# Altium PCB RaspberryHatBoard1.PcbDoc (part 2 of 3)
Units mm, origin at the board's own origin, x right, y up, seen from the top; angles counter-clockwise.
Board outline 65 x 56 mm, 2 copper layers (Top Layer, Bottom Layer); 197 components, 133 nets, 606 pads, 245 vias.
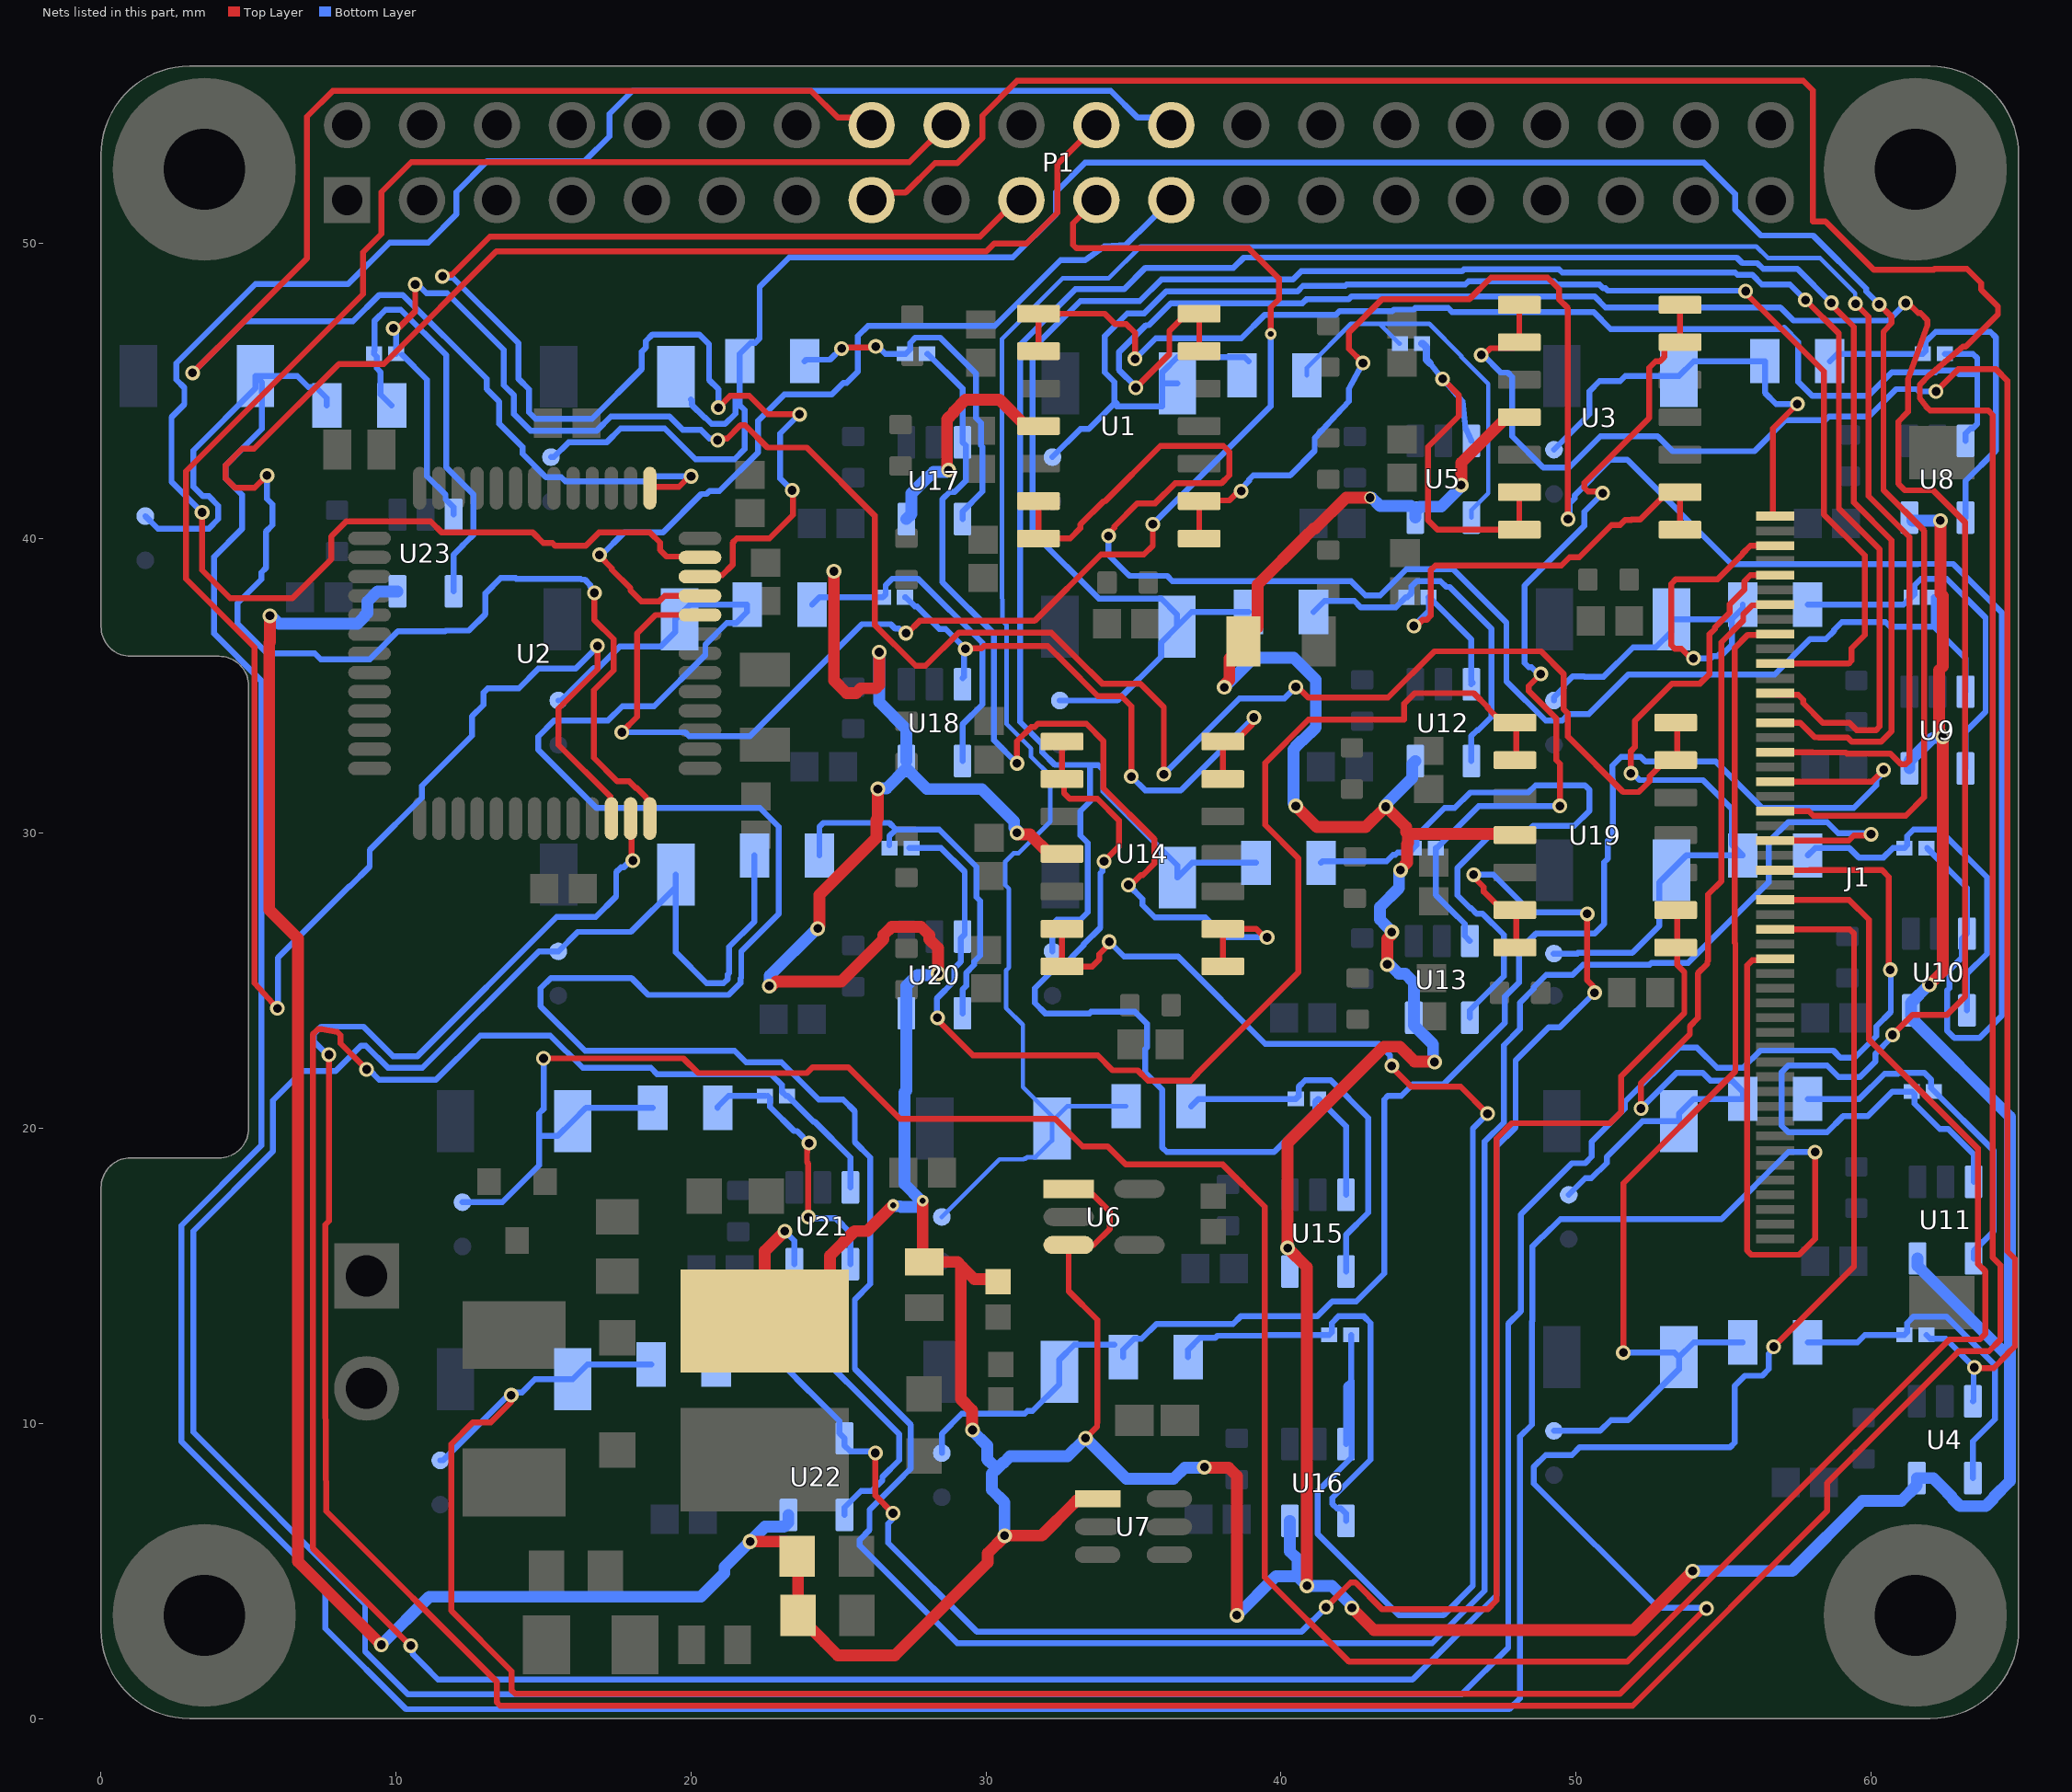
[diagram p2: the nets of this part, all layers, seen from the top]

## Via types
v1: diameter 0.5, hole 0.3, Top Layer to Bottom Layer, tented both sides, 235 vias
v2: diameter 0.4, hole 0.3, Top Layer to Bottom Layer, tented both sides, 3 vias
v3: diameter 0.4, hole 0.2, Top Layer to Bottom Layer, tented both sides, 3 vias
v4: diameter 0.5, hole 0.3, Top Layer to Bottom Layer, 2 vias
v5: diameter 0.4, hole 0.25, Top Layer to Bottom Layer, tented both sides, 2 vias

## Nets (pads, with @x,y where several pads share a name; then routed paths per layer and width w, separated by ;. In a path a pad name is that pad's centre, name@x,y a point inside that pad or via, vN(x,y) a via of type N, cw(c..) or ccw(c..) an arc to the next point about the centre after c; other vN are vias at no path point) (continued)
+5V_Ext: C8.2 C10.1 C11.1 C41.1 L1.2 R20.2 U1.4 U3.4 U4.5 U5.5 U6.1 U6.3 U7.1 U8.5 U9.5 U10.5 U11.5 U12.5 U13.5 U14.4 U15.5 U16.5 U17.5 U18.5 U19.4 U20.5 U21.5 U22.5 U23.5 | length 318.2
  Top Layer w0.2: U6.3@32.799,15.996 32.799,14.484 33.775,13.509 33.775,10.041 33.765,10.031 33.765,9.895 v1(33.373,9.503) ; U6.3@32.799,16.05 33.369,16.05 33.648,16.05 34.2,16.602 34.2,17.178 33.609,17.769 32.98,17.769 U6.1@32.799,17.95 ; U3.4@47.65,44.1 U3.4@48.075,44.1
  Top Layer w0.4: v1(5.725,37.375) 5.725,36.482 5.7,36.457 5.7,27.407 6.675,26.432 6.675,5.325 v1(9.5,2.5) ; v1(22,6) 23.2,6 23.6,5.6 C10.1@23.6,5.5 ; v1(22.65,24.825) 22.731,24.825 22.881,24.975 25.089,24.975 26.52,26.406 26.52,26.548 26.803,26.83 27.797,26.83 28.08,26.548 28.08,26.406 28.375,26.111 v1(28.375,25.25) ; v1(23.175,16.517) 22.5,15.842 L1.2@22.5,13.477 23.207,13.477 24.707,14.977 24.707,15.684 25.546,16.523 25.973,16.523 v3(26.85,17.4) ; C10.1@23.625,5.475 C11.1@23.625,3.5 23.625,3.4 23.975,3.05 24.075,3.05 24.521,2.604 24.521,2.591 24.974,2.139 26.906,2.139 30.054,5.286 30.054,5.602 30.625,6.173 v1(30.625,6.2) 31.885,6.2 32.972,7.287 33.102,7.417 33.752,7.417 U7.1@33.784,7.45 ; v1(24.295,26.775) 24.295,26.802 24.347,26.854 24.347,27.917 26.282,29.851 26.282,30.455 26.332,30.504 v1(26.332,31.505) ; v1(24.842,38.88) 24.842,35.183 25.274,34.751 25.595,34.751 25.758,34.915 26.258,34.915 26.375,35.032 v1(26.375,36.139) ; v3(27.85,17.55) 27.85,15.526 R20.2@27.9,15.476 29.024,15.476 29.2,15.3 ; v1(28.725,42.304) 28.674,42.355 28.674,44.032 28.9,44.258 28.9,44.291 29.309,44.7 30.45,44.7 31.35,43.8 U1.4@31.775,43.8 ; v1(29.54,9.779) 29.521,9.798 29.521,10.449 29.141,10.829 29.141,15.241 29.2,15.3 ; C8.2@30.4,14.801 30.306,14.895 29.605,14.895 29.2,15.3 ; v1(31.05,30.018) 31.107,29.96 31.49,29.96 U14.4@32.15,29.3 ; v1(37.403,8.521) 37.423,8.502 38.22,8.502 38.503,8.218 38.503,3.503 v1(38.5,3.5) ; v1(38.075,34.95) 38.075,35.031 38.247,35.203 38.247,35.919 38.724,36.396 C41.1@38.724,36.5 39.202,36.977 39.202,38.427 40.82,40.045 40.82,40.048 41.103,40.33 41.158,40.33 42.206,41.378 43.014,41.378 v2(43.018,41.373) ; v1(40.5,30.925) 41.211,30.214 42.864,30.214 v1(43.55,30.9) 44.24,30.21 44.24,30.038 44.3,29.978 ; v1(40.875,4.5) 40.875,15.296 v1(40.223,15.948) 40.223,19.511 43.484,22.771 44.022,22.771 44.269,22.525 ; v1(42.4,3.75) 43.15,3 51.95,3 v1(53.95,5) ; v1(43.6,25.556) 43.6,26.425 43.75,26.575 v1(43.75,26.656) ; v1(44.05,28.752) 44.05,28.779 44.275,29.004 44.275,29.641 44.3,29.666 44.3,29.978 ; 44.269,22.525 44.525,22.269 45.181,22.269 v1(45.2,22.25) ; v1(46.108,41.8) 46.108,42.558 U3.4@47.65,44.1 ; U19.4@47.897,29.978 44.3,29.978 ; v1(61.975,24.866) 62.427,25.317 v1(62.427,33.276) ; v1@62.304,33.422 62.304,35.527 62.431,35.654 62.431,38.046 62.35,38.127 v1(62.35,40.6)
  Bottom Layer w0.2: v1(23.175,16.517) 23.5,16.192 U21.5@23.5,15.4 ; U8.5@61.3,40.7 U8.5@61.4,40.6
  Bottom Layer w0.4: v1(5.725,37.375) 5.752,37.375 6.027,37.1 7.406,37.1 8.691,37.1 8.925,37.334 8.925,37.367 9.025,37.467 9.025,37.856 9.369,38.2 U23.5@10.05,38.2 ; v1(9.5,2.5) 11.127,4.127 20.325,4.127 21.134,4.936 21.134,5.134 v1(22,6) 22.501,6.501 23.151,6.501 23.3,6.65 U22.5@23.3,6.9 ; v1(22.65,24.825) 22.669,24.844 22.669,25.176 24.268,26.775 v1(24.295,26.775) ; v1(26.332,31.505) 26.351,31.524 26.624,31.524 27.3,32.2 28,31.5 29.85,31.5 30.95,30.4 30.95,30.199 31.05,30.099 v1(31.05,30.018) ; v1(26.375,36.139) 26.375,34.45 27.3,33.525 U18.5@27.3,32.45 ; v3(26.85,17.4) 26.888,17.362 27.088,17.362 27.115,17.335 27.641,17.335 27.85,17.544 v3(27.85,17.55) 27.796,17.55 27.23,18.116 27.23,21.216 27.3,21.286 27.3,24.831 27.669,25.2 28.298,25.2 28.348,25.25 v1(28.375,25.25) ; U17.5@27.3,40.65 27.473,40.823 27.473,41.523 28.052,42.102 28.075,42.102 28.22,42.246 28.668,42.246 v1(28.725,42.304) ; v1(29.54,9.779) 29.54,9.752 30.035,9.257 30.035,8.789 30.256,8.568 30.363,8.461 ; v1(30.625,6.2) 30.625,7.326 30.196,7.756 30.196,8.294 30.363,8.461 ; v1@33.34,9.471 32.76,8.89 30.812,8.89 30.597,8.675 30.576,8.675 30.363,8.461 ; v1(33.373,9.503) 34.753,8.123 36.353,8.123 36.732,8.502 37.384,8.502 v1(37.403,8.521) ; v1(38.075,34.95) 39.075,35.95 40.428,35.95 41.175,35.203 41.175,33.592 40.733,33.15 40.709,33.15 40.475,32.916 40.475,32.892 40.425,32.842 40.425,31.027 40.5,30.952 v1(40.5,30.925) ; v1(38.5,3.5) 39.824,4.824 40.551,4.824 ; U16.5@40.3,6.7 40.3,5.663 40.551,5.411 40.551,4.824 ; v1(42.4,3.75) 42.381,3.769 42.381,3.838 41.725,4.494 40.881,4.494 40.551,4.824 ; v2(43.018,41.373) 43.073,41.373 43.347,41.099 44.401,41.099 44.55,40.95 U5.5@44.55,40.7 ; v1(43.55,30.9) 43.569,30.919 43.569,31 44.45,31.881 44.45,32.35 U12.5@44.55,32.45 ; v1(43.6,25.556) 43.681,25.556 43.994,25.243 44.207,25.243 44.5,24.95 U13.5@44.5,23.75 44.5,23.5 45.153,22.847 45.153,22.297 v1(45.2,22.25) ; v1(43.75,26.656) 43.75,26.675 43.53,26.895 43.53,26.898 43.35,27.078 43.35,27.5 44,28.15 44,28.675 44.05,28.725 v1(44.05,28.752) ; U5.5@44.55,40.899 44.723,41.072 45.422,41.072 46.108,41.758 v1(46.108,41.8) ; v1(53.95,5) 57.325,5 59.7,7.375 61.025,7.375 61.55,7.9 U4.5@61.55,8.15 62.1,8.15 62.562,7.688 62.562,7.685 62.75,7.497 62.75,7.464 63.014,7.2 63.886,7.2 64.15,7.464 64.15,7.497 64.706,8.053 64.706,12.211 ; U9.5@61.3,32.2 61.3,32.45 62.079,33.229 62.38,33.229 v1(62.427,33.276) ; U8.5@61.4,40.6 v1(62.35,40.6) ; U11.5@61.577,15.591 61.577,15.341 64.706,12.211 ; v1(61.975,24.866) 61.966,24.866 61.35,24.25 U10.5@61.35,24 61.35,23.75 64.706,20.394 64.706,12.211
CH1_SHUNT_N: F1.1 R1.2 U8.4 | length 12.8
  Bottom Layer w0.2: F1.1@58.6,46 58.85,46.25 R1.2@61.75,46.25 61.844,46.344 61.844,46.658 62.184,46.998 64.04,46.998 64.225,46.813 64.225,42.966 63.2,41.941 U8.4@63.2,40.7
CH1_SHUNT_P: R1.1 U1.1 U1.2 U8.3 | length 41.6
  Top Layer w0.2: U1.2@31.775,46.34 U1.1@31.775,47.61 34.023,47.61 34.372,47.261 34.749,47.261 35.05,46.96 v1(35.05,46.075)
  Bottom Layer w0.2: v1(35.05,46.075) 35.75,46.775 38.648,46.775 39.438,47.566 41.851,47.566 41.981,47.695 43.77,47.695 43.825,47.75 44.494,47.75 44.544,47.8 45.665,47.8 45.796,47.669 50.589,47.669 51.168,47.09 57.011,47.09 57.052,47.131 57.527,46.656 57.527,45.3 58.003,44.825 59.906,44.825 60.7,45.619 62.183,45.619 62.247,45.684 62.857,45.684 62.99,45.551 63.6,45.551 ; R1.1@62.5,46.25 63.451,46.25 63.6,46.101 63.6,45.551 ; U8.3@63.2,43.3 63.2,43.55 63.373,43.723 63.451,43.723 63.6,43.872 63.6,45.551
CH1_VOUT_SENSE: CH1_V.1 D1.2 F1.2 J1.1 | length 15.3
  Top Layer w0.2: J1.1@56.656,40.781 56.675,40.8 56.675,43.725 v1(57.5,44.55)
  Bottom Layer w0.2: CH1_V.1@49.25,43 50.45,44.2 50.45,44.978 50.797,45.325 51.492,45.325 51.667,45.5 D1.2@53.485,45.5 53.985,46 F1.2@56.4,46 56.4,44.931 56.781,44.55 v1(57.5,44.55)
CH2_SHUNT_N: F2.1 R2.2 U9.4 | length 12.5
  Bottom Layer w0.2: F2.1@57.85,37.75 61.1,37.75 61.35,38 R2.2@61.375,38 61.473,38.098 61.473,38.406 61.694,38.627 62.562,38.627 63.881,37.308 63.881,34.122 63.2,33.441 U9.4@63.2,32.2
CH2_SHUNT_P: R2.1 U1.6 U1.7 U9.3 | length 53
  Top Layer w0.2: U1.6@31.775,41.26 U1.7@31.775,39.99 31.78,39.995 32.852,39.995 33.2,40.343 33.2,40.468 33.982,41.25 34.028,41.25 35.908,43.13 38.044,43.13 38.25,42.924 38.25,42.136 37.974,41.86 36.406,41.86 35.731,41.185 35.133,41.185 34.35,40.403 34.35,40.356 34.15,40.156 v1(34.15,40.075)
  Bottom Layer w0.2: v1(34.15,40.075) 34.15,39.436 34.744,38.842 34.861,38.725 36.144,38.725 36.319,38.55 42.372,38.55 42.862,38.06 43.36,38.06 44.251,38.95 45.832,38.95 47.639,37.143 47.639,35.148 48.968,33.819 49.532,33.819 49.759,34.046 50.433,34.046 51.768,35.381 56.729,35.381 57.925,36.577 58.46,36.577 58.739,36.856 58.739,36.89 59.011,37.161 60.488,37.161 60.648,37.001 62.125,37.001 ; R2.1@62.125,38 62.125,37.001 ; U9.3@63.2,34.8 63.2,35.926 62.125,37.001
CH2_VOUT_SENSE: CH2_V.1 D2.2 F2.2 J1.3 | length 17.6
  Top Layer w0.2: v1(53.975,35.931) 53.894,35.931 53.567,36.258 53.342,36.258 53.225,36.375 53.225,36.847 53.225,38.456 53.374,38.605 54.794,38.605 55.635,39.446 55.635,39.474 55.911,39.75 J1.3@56.75,39.75
  Bottom Layer w0.2: CH2_V.1@49.25,34.5 49.25,34.608 49.573,34.931 49.573,35.003 49.895,35.325 50.263,35.325 50.288,35.3 50.929,35.3 51.929,36.3 52.7,36.3 53.235,36.835 D2.2@53.235,37.25 F2.2@55.277,37.25 ; v1(53.975,35.931) 54.556,35.931 54.625,36 54.783,36 54.83,36.047 54.949,36.047 55.277,36.375 F2.2@55.277,37.25 ; F2.2@55.65,37.75 55.65,37.623 F2.2@55.277,37.25
CH3_SHUNT_N: F3.1 R3.2 U10.4 | length 12.4
  Bottom Layer w0.2: F3.1@57.85,29.25 58.1,29.5 59.263,29.5 59.579,29.184 60.421,29.184 60.737,29.5 R3.2@61.125,29.5 61.219,29.594 61.219,29.908 61.442,30.131 62.308,30.131 63.931,28.508 63.931,25.922 63.25,25.241 U10.4@63.25,24
CH3_SHUNT_P: R3.1 U1.8 U1.9 U10.3 | length 67.7
  Top Layer w0.2: U1.8@37.225,39.99 U1.9@37.225,41.26 37.246,41.281 38.25,41.281 38.569,41.6 v1(38.65,41.6) ; v1(42.775,45.939) 42.295,46.419 42.295,46.973 43.428,48.106 46.389,48.106 47.12,48.837 49.03,48.837 49.427,48.44 49.427,48.092 49.725,47.794 v1(49.725,40.65)
  Bottom Layer w0.2: v1(38.65,41.6) 38.65,41.681 38.918,41.949 38.918,41.993 39.06,42.135 40.31,42.135 41.137,42.962 41.137,43.304 41.137,43.387 42.3,44.634 42.3,45.067 v1(42.775,45.939) ; v1(49.725,40.65) 49.782,40.707 49.782,41.184 49.95,41.351 49.95,41.453 51.155,42.657 51.735,42.657 55.27,39.123 61.585,39.123 61.593,39.131 62.776,39.131 64.439,37.468 64.439,23.83 63.678,23.069 62.822,23.069 62.573,23.318 62.573,24.676 62.652,24.755 62.652,25.361 63.077,25.786 63.077,26.427 U10.3@63.25,26.6 63.25,28.15 R3.1@61.9,29.5
CH3_VOUT_SENSE: CH3_V.1 D3.2 F3.2 J1.5 | length 24.1
  Top Layer w0.2: v1(51.86,32.031) 51.86,32.788 51.988,32.916 51.988,33.807 53.256,35.075 54.203,35.075 54.525,35.397 54.525,36.751 54.703,36.929 54.703,36.979 55.211,37.487 55.211,37.768 55.7,38.257 55.7,38.539 55.911,38.75 J1.5@56.75,38.75
  Bottom Layer w0.2: CH3_V.1@49.241,25.925 50.041,25.925 50.066,25.95 51.907,25.95 52.827,26.87 52.827,28.342 53.735,29.25 F3.2@55.65,29.25 55.277,29.623 55.277,30.829 54.301,31.805 52.153,31.805 51.927,32.031 v1(51.86,32.031)
CH4_SHUNT_N: F4.1 R4.2 U11.4 | length 11.9
  Bottom Layer w0.2: F4.1@57.85,21 59.601,21 60.454,21.853 60.914,21.853 60.942,21.881 61.808,21.881 62.031,21.658 62.031,21.369 64.158,19.242 64.158,16.522 63.477,15.841 U11.4@63.477,15.591
CH4_SHUNT_P: R4.1 U1.13 U1.14 U11.3 | length 78.8
  Top Layer w0.2: v1(35.075,45.1) 36.212,46.237 36.212,47.022 36.8,47.61 U1.14@37.225,47.61 U1.13@37.225,46.34 ; v1(60.725,23.17) 61.402,23.847 62.572,23.847 63.192,24.467 63.192,40.536 62.105,41.623 61.144,41.623 60.923,41.844 60.923,43.956 61.195,44.229 61.249,44.282 61.25,45.368 61.911,47.236 61.911,47.389 61.672,47.629 61.595,47.629 61.254,47.969 v1(61.173,47.969)
  Bottom Layer w0.2: v1(35.075,45.1) 35.075,45.136 34.5,45.711 34.5,46.303 35.417,47.219 35.523,47.219 36.269,47.966 40.726,47.966 40.855,48.095 42.286,48.095 42.391,48.2 49.197,48.2 50.624,48.2 51,47.823 56.925,47.823 57.374,47.375 60.579,47.375 v1(61.173,47.969) ; v1(60.725,23.17) 60.725,23.11 60.146,22.531 60.146,22.264 59.624,21.742 58.897,21.742 58.508,22.131 57.192,22.131 56.969,21.908 56.969,20.092 57.192,19.869 58.508,19.869 59.05,20.411 59.88,20.411 60.719,21.25 R4.1@61.375,21.25 61.469,21.156 61.469,20.842 62.329,19.982 62.616,19.982 63.477,19.122 U11.3@63.477,18.191
CH4_VOUT_SENSE: CH4_V.1 D4.2 F4.2 J1.7 | length 31.4
  Top Layer w0.2: v1(52.2,20.675) 52.2,21.531 53.856,23.188 53.856,23.465 54.125,23.734 54.125,25.256 54.45,25.581 54.45,25.657 54.477,25.684 54.477,27.927 54.925,28.375 54.925,36.472 55.665,37.212 55.665,37.427 55.965,37.727 56.727,37.727 J1.7@56.75,37.75
  Bottom Layer w0.2: CH4_V.1@49.75,17.75 50.311,18.311 50.518,18.311 51.039,18.832 51.039,19.039 52.25,20.25 D4.2@53.485,20.25 53.485,20.492 53.993,21 F4.2@55.65,21 55.65,21.25 55.277,21.623 54.552,21.623 54.286,21.889 53.414,21.889 v1(52.2,20.675)
CH5_SHUNT_N: F5.1 R5.2 U4.4 | length 11.7
  Bottom Layer w0.2: F5.1@57.85,12.75 59.536,12.75 59.786,13 R5.2@61.125,13 61.223,13.098 61.223,13.406 61.444,13.627 62.551,13.627 64.202,11.976 64.202,10.149 63.45,9.397 U4.4@63.45,8.15
CH5_SHUNT_P: R5.1 U3.1 U3.2 U4.3 | length 63.1
  Top Layer w0.2: v1(46.786,46.211) 46.867,46.211 47.096,46.44 47.875,46.44 U3.2@48.075,46.64 U3.1@48.075,47.91 ; v1(62.2,44.975) 62.95,45.725 64.236,45.725 64.625,45.336 64.625,15.834 64.885,15.574 64.885,12.626 64.625,12.366 64.625,12.349 64.15,11.874 63.526,11.874 v1(63.5,11.9)
  Bottom Layer w0.2: v1(46.786,46.211) 46.848,46.211 47.443,45.615 47.685,45.615 47.836,45.464 47.836,43.451 48.887,42.4 49.766,42.4 50.823,43.457 52.764,43.457 53.272,42.95 56.042,42.95 57.092,44 58.446,44 58.576,44.13 59.93,44.13 60.852,45.053 61.55,45.053 61.628,44.975 v1(62.2,44.975) ; R5.1@61.875,13 62.006,12.869 62.531,12.869 v1(63.5,11.9) 63.475,11.875 63.475,10.775 U4.3@63.45,10.75
CH5_VOUT_SENSE: CH5_V.1 D5.2 F5.2 J1.9 | length 36.9
  Top Layer w0.2: v1(51.6,12.4) 51.6,18.138 55.4,21.938 55.4,26.272 55.373,26.299 55.373,36.277 55.823,36.727 56.727,36.727 J1.9@56.75,36.75
  Bottom Layer w0.2: CH5_V.1@49.25,9.75 50.813,9.75 51.179,10.116 51.766,10.116 53.485,11.835 D5.2@53.485,12.25 ; v1(51.6,12.4) 53.335,12.4 D5.2@53.485,12.25 ; F5.2@55.65,12.75 53.985,12.75 D5.2@53.485,12.25
CH6_SHUNT_N: F6.1 R6.2 U5.4 | length 13.6
  Bottom Layer w0.15: F6.1@40.875,45.525 40.875,45.775 42.37,47.27 43.33,47.27 ; R6.2@44.025,46.6 44,46.6 43.33,47.27 ; U5.4@46.45,40.7 46.45,40.95 47.025,41.525 47.025,45.229 46.105,46.148 46.105,46.183 45.019,47.27 43.33,47.27
CH6_SHUNT_P: R6.1 U3.6 U3.7 U5.3 | length 13.8
  Top Layer w0.2: v1(45.475,45.4) 46.025,44.85 46.025,44.144 44.977,43.096 44.977,40.612 45.299,40.29 U3.7@48.075,40.29 U3.6@48.075,41.56
  Bottom Layer w0.2: 45.05,45.925 v1(45.475,45.4) 45.592,45.283 46.144,44.646 46.25,43.75 U5.3@46.45,43.3
  Bottom Layer w0.254: R6.1@44.775,46.6 44.8,46.6 44.923,46.477 44.923,46.052 45.05,45.925
CH6_VOUT_SENSE: CH6_V.1 D6.2 F6.2 J1.11 | length 51.4
  Top Layer w0.2: v1(55.749,48.373) 55.749,48.308 58.403,45.655 58.403,40.8 59.788,39.415 59.788,36.722 59.335,36.269 59.335,35.85 59.235,35.75 J1.11@56.75,35.75
  Bottom Layer w0.2: CH6_V.1@32.25,42.75 33.199,43.699 33.477,43.699 34.35,44.572 34.35,45.295 34.019,45.626 34.019,46.847 34.791,47.619 35.357,47.619 36.104,48.366 40.56,48.366 40.744,48.55 42.175,48.55 42.225,48.6 46.247,48.6 46.358,48.711 49.252,48.711 49.362,48.6 50.789,48.6 50.92,48.469 50.996,48.469 51.077,48.389 55.734,48.389 v1(55.749,48.373) ; 34.431,44.469 34.431,44.572 ; 34.444,44.469 35.977,44.469 35.977,45.25 D6.2@36.485,45.25 ; D6.2@35.977,45.271 35.977,45.63 36.485,46.138 38.762,46.138 F6.2@38.9,46
CH7_SHUNT_N: F7.1 R7.2 U12.4 | length 12.2
  Bottom Layer w0.2: F7.1@41.1,37.5 41.472,37.872 42.484,37.872 42.697,37.66 43.885,37.66 44.225,38 44.275,38 44.425,38.15 44.425,38.374 44.601,38.55 45.399,38.55 45.599,38.35 45.714,38.35 47.131,36.933 47.131,33.951 46.68,33.5 46.65,33.5 46.45,33.3 U12.4@46.45,32.45
CH7_SHUNT_P: R7.1 U3.8 U3.9 U12.3 | length 17.9
  Top Layer w0.2: v1(44.5,37.025) 44.581,37.025 44.787,37.231 44.931,37.231 45.072,37.372 45.072,37.564 45.077,37.569 45.077,38.926 45.226,39.075 49.5,39.075 49.786,39.361 50.111,39.361 51.2,40.45 51.491,40.45 51.666,40.625 51.868,40.625 51.878,40.634 52.174,40.634 53.1,41.56 U3.9@53.525,41.56 53.525,41.478 U3.8@53.525,40.29
  Bottom Layer w0.2: v1(44.5,37.025) 45.013,37.538 45.013,37.988 R7.1@45,38 ; R7.1@45.025,38 46.45,36.575 46.45,35.15 46.5,35.1 U12.3@46.45,35.05
CH7_VOUT_SENSE: CH7_V.1 D7.2 F7.2 J1.13 | length 68
  Top Layer w0.2: J1.13@56.75,34.75 56.8,34.7 57.524,34.7 57.7,34.524 57.7,34.411 58.363,33.748 59.265,33.748 59.513,33.5 60.171,33.5 60.288,33.617 60.288,36.362 60.292,36.366 60.292,39.624 58.907,41.009 58.907,46.942 v1(57.775,48.074)
  Bottom Layer w0.2: CH7_V.1@32.5,34.5 34.45,34.5 35.935,35.985 35.935,36.465 D7.2@36.47,37 ; F7.2@38.9,37.5 36.97,37.5 D7.2@36.47,37 ; v1(57.775,48.074) 57.246,48.603 56.298,48.603 55.977,48.923 55.468,48.923 55.391,49 49.528,49 49.417,49.111 46.192,49.111 46.127,49.045 40.674,49.045 40.395,48.766 35.938,48.766 35.21,48.038 33.194,48.038 31.58,46.424 31.58,40.195 33.825,37.95 35.935,37.95 36.47,37.415 D7.2@36.47,37
CH8_SHUNT_N: F8.1 R8.2 U13.4 | length 22.8
  Bottom Layer w0.2: F8.1@41.35,29 41.404,29.054 43.574,29.054 43.795,29.275 43.878,29.275 43.953,29.35 44.35,29.35 44.594,29.594 44.594,29.908 45.543,30.857 45.889,30.857 46.415,31.383 48.383,31.383 48.625,31.625 50.301,31.625 50.45,31.476 50.45,30.759 49.941,30.25 48.541,30.25 48.366,30.075 47.222,30.075 45.975,28.828 45.975,27.902 46.412,27.465 46.443,27.465 46.627,27.281 46.828,27.281 47.553,26.556 47.553,25.153 46.4,24 U13.4@46.4,23.75
CH8_SHUNT_P: R8.1 U3.13 U3.14 U13.3 | length 29.6
  Top Layer w0.2: v1(48.8,35.4) 48.392,34.992 48.392,34.827 49.325,33.894 49.325,32.479 49.45,32.354 v1(49.45,30.925) ; v1(50.9,41.525) 50.843,41.582 50.402,41.582 50.275,41.709 50.275,41.875 52.473,44.073 52.473,45.776 52.694,45.997 52.844,45.997 52.993,46.146 52.993,46.467 53.166,46.64 U3.13@53.525,46.64 U3.14@53.525,47.91
  Bottom Layer w0.2: R8.1@45.25,29.5 R8.1@45.275,29.5 ; U13.3@46.4,26.35 46.227,26.523 46.227,26.932 46.131,27.028 45.878,27.281 45.25,27.909 45.25,29.475 R8.1@45.275,29.5 ; v1(48.8,35.4) 48.719,35.4 48.492,35.627 48.39,35.627 48.249,35.768 48.249,38.396 50.275,40.422 50.275,40.9 v1(50.9,41.525) ; v1(49.45,30.925) 46.7,30.925 R8.1@45.275,29.5
CH8_VOUT_SENSE: CH8_V.1 D8.2 F8.2 J1.15 | length 80.6
  Top Layer w0.2: J1.15@56.75,33.75 57.591,33.75 58.087,33.254 58.222,33.254 58.232,33.244 59.203,33.244 59.347,33.1 60.337,33.1 60.692,33.455 60.692,39.937 59.411,41.218 59.411,47.164 58.651,47.924 v1(58.651,47.976)
  Bottom Layer w0.2: CH8_V.1@32.25,26 32.25,26.92 32.399,27.069 33.193,27.069 33.45,27.326 33.45,29.674 33.2,29.924 33.2,30.755 33.525,31.08 33.525,32.31 ; F8.2@39.15,29 36.985,29 D8.2@36.485,28.5 36.485,28.915 33.975,31.425 33.975,32.143 33.808,32.31 33.525,32.31 ; v1(58.651,47.976) 57.502,49.125 56.341,49.125 56.143,49.323 55.634,49.323 55.446,49.511 38.736,49.511 38.391,49.166 35.403,49.166 34.675,48.438 33.028,48.438 31.15,46.56 31.15,33.773 31.9,33.023 31.9,32.751 32.332,32.319 33.525,32.319 33.525,32.31
CH9_SHUNT_N: F9.1 R9.2 U15.4 | length 12.6
  Bottom Layer w0.2: F9.1@36.95,20.75 37.2,21 R9.2@40.5,21 40.594,21.094 40.594,21.408 40.817,21.631 41.683,21.631 42.954,20.359 42.954,17.146 42.2,16.391 U15.4@42.2,15.15
CH9_SHUNT_P: R9.1 U14.1 U14.2 U15.3 | length 30
  Top Layer w0.2: U14.1@32.575,33.11 U14.2@32.575,31.84 32.643,31.772 32.643,31.357 32.83,31.17 33.771,31.17 34.5,30.441 34.5,29.55 v1(34,29.05)
  Bottom Layer w0.2: v1(34,29.05) 33.943,28.993 33.943,28.711 33.875,28.643 33.875,26.803 33.299,26.227 33.299,26.201 32.49,25.392 32.293,25.392 31.65,24.749 31.65,24.251 32.001,23.9 33.502,23.9 33.552,23.95 35.053,23.95 35.45,23.553 35.45,22.749 35.397,22.696 35.397,21.892 35.975,21.314 35.975,19.349 36.124,19.2 39.764,19.2 41.156,20.592 41.156,20.906 R9.1@41.25,21 ; R9.1@41.275,21 42.2,20.075 U15.3@42.2,17.75
CH9_VOUT_SENSE: CH9_V.1 D9.2 F9.2 J1.17 | length 89
  Top Layer w0.2: J1.17@56.75,32.75 58.013,32.75 58.023,32.74 59.141,32.74 59.181,32.7 60.653,32.7 61.013,32.34 61.179,32.34 61.296,32.457 61.296,35.944 61.3,35.948 61.3,40.041 59.915,41.426 59.915,47.507 59.475,47.947 v1(59.475,47.95)
  Bottom Layer w0.15: CH9_V.1@28.5,17 30.45,18.95 31.274,18.95 31.299,18.975 31.342,18.975 31.393,19.025 31.675,19.025 32.235,19.585 32.235,20.415 31.25,21.4 31.25,23.512 30.675,24.087 30.675,25.352 30.775,25.452 30.775,28.118 30.65,28.243 30.65,29.045 30.928,29.322 31.097,29.322 32.175,30.4 32.175,31.946 31.525,32.596 31.525,32.867 30.697,33.695 30.697,37.053 30.615,37.136 30.557,37.193 30.556,37.274 30.537,38.623 30.537,46.751 32.599,48.813 34.163,48.813 35.236,49.886 56.111,49.886 56.497,49.5 58.265,49.5 59.459,48.306 59.459,47.966 v1(59.475,47.95) ; D9.2@32.322,20.329 32.743,20.75 F9.2@34.75,20.75
CH10_SHUNT_N: F10.1 R10.2 U16.4 | length 14.7
  Bottom Layer w0.2: F10.1@36.85,12.25 36.85,12.5 37.25,12.9 37.77,12.9 37.845,12.975 39.378,12.975 39.397,12.994 R10.2@41.619,12.994 ; R10.2@41.625,13 41.719,13.094 41.719,13.408 41.942,13.631 42.808,13.631 43.031,13.408 43.031,8.772 41.741,7.482 41.741,7.272 41.89,7.123 42.027,7.123 42.2,6.95 U16.4@42.2,6.7
CH10_SHUNT_P: R10.1 U14.6 U14.7 U16.3 | length 51.3
  Top Layer w0.2: U14.6@32.575,26.76 U14.7@32.575,25.49 33.6,25.49 33.835,25.725 33.835,25.904 34.175,26.244 v1(34.175,26.325) ; v1(43.753,22.121) 43.753,22.076 44.411,21.417 46.083,21.417 v1(47,20.5)
  Bottom Layer w0.2: v1(34.175,26.325) 34.673,25.827 36.51,25.827 39.467,22.869 43.306,22.869 43.696,22.479 43.696,22.179 v1(43.753,22.121) ; U16.3@42.2,9.3 42.2,11.26 42.375,11.435 R10.1@42.375,13 ; 42.395,11.435 42.395,8.855 41.233,7.693 41.233,6.267 44,3.5 45.5,3.5 46.5,4.5 46.5,20 v1(47,20.5)
CH10_VOUT_SENSE: CH10_V.1 D10.2 F10.2 J1.19 | length 55.5
  Top Layer w0.2: J1.19@56.75,31.75 60.025,31.75 v1(60.425,32.15)
  Bottom Layer w0.2: CH10_V.1@28.5,9 28.5,9.653 29.176,10.329 31.312,10.329 31.407,10.425 31.575,10.425 32.485,11.335 32.485,12.165 32.993,12.673 F10.2@34.355,12.673 ; F10.2@34.65,12.25 34.65,12.5 35.023,12.873 35.273,12.873 35.775,13.375 38.371,13.375 38.627,13.631 41.224,13.631 41.732,14.139 42.548,14.139 43.5,15.091 43.5,20.983 43.617,21.1 44.075,21.1 44.471,21.496 45.504,21.496 47.589,23.58 47.589,24.471 48.061,24.943 48.061,26.024 48.637,26.6 48.962,26.6 48.968,26.606 49.532,26.606 49.538,26.6 50.625,26.6 50.952,26.927 50.952,29.021 51.072,29.141 51.072,29.756 51.25,29.934 51.25,31.808 51.229,31.829 51.229,32.292 51.53,32.594 52.19,32.594 52.347,32.436 54.732,32.436 56.307,30.861 59.41,30.861 60.175,31.626 60.175,31.819 60.425,32.069 v1(60.425,32.15)
CH11_SHUNT_N: F11.1 R11.2 U17.4 | length 12.3
  Top Layer w0.2: v1(25.103,46.431) 25.137,46.466 26.226,46.466 v1(26.26,46.5)
  Bottom Layer w0.2: F11.1@23.85,46 23.9,46.05 24.707,46.05 25.088,46.431 v1(25.103,46.431) ; v1(26.26,46.5) 26.342,46.5 26.592,46.25 R11.2@27.25,46.25 ; R11.2@27.275,46.25 27.425,46.4 27.425,46.624 27.601,46.8 28.437,46.8 29.654,45.583 29.654,44.079 29.827,43.906 29.827,43.148 29.881,43.094 29.881,41.581 29.2,40.9 U17.4@29.2,40.65
CH11_SHUNT_P: R11.1 U14.8 U14.9 U17.3 | length 34.5
  Top Layer w0.2: v1(31.05,32.373) 31.05,33.119 31.534,33.603 31.648,33.603 31.756,33.71 33.394,33.71 33.975,33.129 33.975,31.532 35.7,29.807 35.7,28.972 35.318,28.59 35.246,28.59 34.906,28.25 v1(34.825,28.25) ; U14.8@38.025,25.49 U14.9@38.025,26.76 39.159,26.76 39.444,26.475 v1(39.525,26.475)
  Bottom Layer w0.2: R11.1@28,46.25 28.025,46.25 29.2,45.075 U17.3@29.2,43.25 29.311,43.139 29.311,41.949 28.933,41.572 28.768,41.572 28.523,41.326 28.523,38.509 30.272,36.76 30.272,33.15 v1(31.05,32.373) ; v1(34.825,28.25) 35.304,27.771 35.304,27.572 35.726,27.15 37.435,27.15 38.11,26.475 v1(39.525,26.475)
CH11_VOUT_SENSE: CH11_V.1 D11.2 F11.2 J1.21 | length 81.7
  Top Layer w0.2: J1.21@56.75,30.75 57.89,30.75 58.042,30.598 61.173,30.598 61.8,31.225 61.8,35.736 61.804,35.74 61.804,40.25 60.419,41.635 60.419,46.992 60.489,47.069 60.645,47.241 60.697,47.298 60.697,47.503 v1(60.275,47.925)
  Bottom Layer w0.2: CH11_V.1@15.25,42.75 15.349,42.75 15.847,43.248 17.136,43.248 17.613,43.725 19.103,43.725 20.153,42.675 21.472,42.675 21.821,43.024 21.821,44.34 21.65,44.511 21.65,44.851 ; D11.2@19.993,44.702 20.02,44.675 20.02,44.525 20.47,44.075 20.497,44.075 20.697,43.875 21.153,43.875 21.501,44.223 21.501,44.702 21.65,44.851 ; v1(60.275,47.925) 60.275,47.928 59.834,48.368 59.834,48.461 58.035,50.261 56.265,50.261 55.387,51.138 55.387,51.667 54.329,52.725 33.356,52.725 32.366,51.735 32.366,50.977 30.908,49.519 23.327,49.519 22.325,48.517 22.325,46.772 22.176,46.623 22.023,46.623 21.65,46.25 21.65,44.851
CH12_SHUNT_N: F12.1 R12.2 U18.4 | length 11.5
  Bottom Layer w0.2: F12.1@24.1,37.75 24.35,38 R12.2@26.5,38 26.594,38.094 26.594,38.408 26.817,38.631 27.697,38.631 29.872,36.456 29.872,34.363 29.2,33.691 U18.4@29.2,32.45
CH12_SHUNT_P: R12.1 U14.13 U14.14 U18.3 | length 20.8
  Top Layer w0.2: v1(29.3,36.25) 29.324,36.274 29.85,36.274 29.926,36.35 32.093,36.35 32.65,35.793 33.793,34.65 34.581,34.65 34.925,34.306 v1(34.925,31.925) ; U14.13@38.025,31.84 U14.14@38.025,33.11 38.45,33.11 39.018,33.678 39.018,33.868 v1(39.075,33.925)
  Bottom Layer w0.2: R12.1@27.25,38 27.275,38 27.59,37.685 27.657,37.685 28.417,36.925 28.625,36.925 v1(29.3,36.25) 29.25,36.2 29.25,35.302 U18.3@29.2,35.252 ; v1(34.925,31.925) 35.4,31.45 36.6,31.45 v1(39.075,33.925)
CH12_VOUT_SENSE: CH12_V.1 D12.2 F12.2 J1.23 | length 132
  Top Layer w0.2: J1.23@56.75,29.75 57.589,29.75 59.242,29.75 59.416,29.924 59.953,29.924 v1(60,29.971)
  Bottom Layer w0.2: CH12_V.1@15.5,34.5 15.599,34.5 16.7,35.601 16.854,35.601 17.58,36.327 18.962,36.327 19.47,36.835 19.47,37.25 19.97,37.75 F12.2@21.9,37.75 21.9,37.5 21.527,37.127 21.214,37.127 20.486,36.399 20.486,36.042 18.75,34.306 17.67,34.306 17.182,33.819 15.356,33.819 14.819,33.282 14.819,32.832 16.79,30.861 22.328,30.861 22.969,30.219 22.969,27.269 21.7,26 21.7,25.107 21.673,25.08 21.673,24.928 21.27,24.525 18.548,24.525 17.973,25.1 15.251,25.1 14.9,24.749 14.9,24.137 16.404,22.633 21.474,22.633 21.868,22.239 23.06,22.239 23.825,21.474 23.825,21.473 24.323,20.975 25.157,20.975 25.55,20.582 25.55,19.538 26.077,19.011 26.077,14.724 25.55,14.197 25.55,11.852 27.45,9.952 27.45,8.478 27.2,8.228 27.2,8.221 26.049,7.07 26.049,6.396 25.719,6.066 25.719,5.856 29.025,2.55 45.116,2.55 46.9,4.334 46.9,19.554 47.55,20.204 47.55,22.823 48.097,23.37 48.097,24.26 48.569,24.732 48.569,24.782 48.987,25.2 49.882,25.2 50.231,25.55 52.492,25.55 52.55,25.608 53.797,25.608 56.531,28.342 56.531,29.72 57.192,30.381 58.508,30.381 58.885,30.004 59.967,30.004 v1(60,29.971)
CH13_SHUNT_N: F13.1 R13.2 U20.4 | length 12.9
  Bottom Layer w0.2: F13.1@24.35,29.25 24.35,30.221 24.484,30.355 26.719,30.355 26.942,30.131 ; R13.2@26.719,29.594 26.719,29.908 26.942,30.131 ; U20.4@29.2,23.9 29.2,24.707 29.325,24.831 29.325,25.266 29.6,25.541 29.6,25.656 29.8,25.856 29.8,27.715 29.675,27.84 29.675,28.868 28.412,30.131 26.942,30.131
CH13_SHUNT_P: R13.1 U19.1 U19.2 U20.3 | length 41.3
  Top Layer w0.2: v1(28.35,23.75) 28.35,23.681 29.554,22.477 33.532,22.477 33.534,22.475 33.786,22.475 34.292,21.969 35.139,21.969 35.489,21.619 36.933,21.619 37.156,21.842 37.156,21.861 40.583,25.288 40.583,29.155 39.459,30.28 39.459,32.384 40.925,33.85 44.175,33.85 44.175,34.4 44.525,34.75 46.53,34.75 47.002,34.278 47.002,34.248 47.5,33.75 U19.1@47.925,33.75 ; U19.2@47.975,32.44 U19.1@47.975,33.71
  Bottom Layer w0.2: R13.1@27.4,29.5 28.478,29.5 29.275,28.703 29.275,27.674 29.275,26.575 29.143,26.443 29.143,25.65 28.925,25.432 28.925,24.997 28.328,24.4 28.328,23.772 v1(28.35,23.75)
CH13_VOUT_SENSE: CH13_V.1 D13.2 F13.2 J1.25 | length 129.1
  Top Layer w0.2: J1.25@56.75,28.75 57.915,28.75 57.917,28.752 60.373,28.752 60.603,28.522 60.603,25.422 v1(60.65,25.375)
  Bottom Layer w0.2: D13.2@19.485,28.6 D13.2@19.485,28.185 ; F13.2@22.15,29.25 22.15,27.016 21.287,26.153 21.287,25.26 21.246,25.219 21.246,25.066 21.105,24.925 20.522,24.925 19.485,25.962 D13.2@19.485,28.185 ; v1(60.65,25.375) 60.669,25.356 60.669,23.947 60.175,23.453 60.175,23.126 59.45,22.401 58.957,22.401 58.718,22.639 56.251,22.639 55.662,22.05 54.785,22.05 54.1,22.735 53.482,22.735 51.65,20.903 51.65,20.672 50.531,19.553 50.531,19.042 50.308,18.819 49.856,18.819 48.125,17.088 48.125,13.802 47.7,13.377 47.7,2.4 46.121,0.821 10.401,0.821 8.95,2.272 8.95,3.883 3.125,9.708 3.125,16.52 5.829,19.224 5.829,20.951 6.826,21.947 7.953,21.947 8.809,22.803 8.975,22.803 9.728,22.05 10.893,22.05 14.843,26 CH13_V.1@15.5,26 16.161,26.661 17.961,26.661 D13.2@19.485,28.185
CH14_SHUNT_N: F14.1 R14.2 U21.4 | length 9.3
  Top Layer w0.2: v1(23.975,16.994) 23.975,18.804 23.929,18.85 23.929,19.185 23.943,19.198 23.943,19.443 v1(24,19.5)
  Bottom Layer w0.2: F14.1@20.9,20.7 20.9,20.727 21.273,21.1 R14.2@22.5,21.1 ; R14.2@22.594,21.1 22.675,21.019 22.675,20.726 23.491,19.91 23.59,19.91 v1(24,19.5) ; v1(23.975,16.994) 24.006,16.963 24.897,16.963 25.4,16.46 U21.4@25.4,15.4
CH14_SHUNT_P: R14.1 U19.6 U19.7 U21.3 | length 115.9
  Top Layer w0.2: v1(9,22) 8.121,22.879 8.121,23.157 8.004,23.274 7.48,23.368 7.359,23.368 7.303,23.313 7.175,23.184 7.175,5.775 10.475,2.475 v1(10.5,2.475) ; v1(46.525,28.6) 46.525,28.519 46.862,28.182 46.862,28.018 46.882,28.018 47.54,27.36 47.975,27.36 U19.7@47.975,26.09 ; v1(50.375,27.275) 50.375,25.025 50.568,24.832 50.568,24.657 v1(50.625,24.6)
  Bottom Layer w0.2: v1(9,22) 9.078,22 9.428,21.65 11.35,21.65 12.85,23.15 15.228,23.15 16.328,22.05 18.636,22.05 18.847,21.839 22.71,21.839 23.075,21.474 23.075,21.25 23.225,21.1 R14.1@23.25,21.1 ; v1(10.5,2.475) 10.557,2.418 10.557,2.193 10.916,1.834 11.425,1.325 44.456,1.325 47.3,4.169 47.3,19.388 47.95,20.038 47.95,22.3 49.071,23.421 49.446,23.421 v1(50.625,24.6) ; R14.1@23.275,21.1 24.138,20.237 24.178,20.237 25.4,19.015 U21.3@25.4,18 ; v1(46.525,28.6) 47.191,28.6 48.472,27.319 50.331,27.319 v1(50.375,27.275)
CH14_VOUT_SENSE: CH14_V.1 D14.2 F14.2 J1.27 | length 99.6
  Top Layer w0.2: v1(15,22.375) 19.739,22.375 20.239,21.875 23.927,21.875 24.127,22.075 25.328,22.075 27.078,20.325 32.344,20.325 33.276,19.393 34.123,19.393 34.741,18.775 38.022,18.775 39.45,17.347 39.45,4.781 42.306,1.925 51.732,1.925 62.657,12.85 63.683,12.85 63.877,13.044 63.877,15.156 63.617,15.416 63.617,19.321 59.926,23.013 59.926,27.074 59.252,27.748 57.579,27.748 57.577,27.75 J1.27@56.75,27.75
  Bottom Layer w0.2: CH14_V.1@12.25,17.5 13.6,17.5 14.853,18.753 14.853,19.747 ; v1(15,22.375) 15,20.656 14.853,20.509 14.853,19.747 ; F14.2@18.7,20.7 16.435,20.7 D14.2@15.985,20.25 15.482,19.747 14.853,19.747
CH15_SHUNT_N: F15.1 R15.2 U22.4 | length 12.1
  Bottom Layer w0.2: F15.1@20.85,12 20.85,12.127 21.223,12.5 R15.2@22.375,12.5 22.469,12.594 22.469,12.908 22.692,13.131 23.558,13.131 27.05,9.639 27.05,8.757 26.485,8.192 26.485,8.071 26.124,7.711 25.761,7.711 25.2,7.15 U22.4@25.2,6.9
CH15_SHUNT_P: R15.1 U19.8 U19.9 U22.3 | length 59.7
  Top Layer w0.2: v1(26.25,9) 26.25,7.554 v1(26.846,6.958) ; v1(41.525,3.775) 42.357,4.607 42.523,4.607 43.428,3.703 47.003,3.703 47.3,4 47.3,19.655 47.82,20.175 51.153,20.175 51.533,20.556 51.533,21.77 53.671,23.907 53.671,25.293 53.425,25.539 53.425,26.09 U19.9@53.425,27.36
  Bottom Layer w0.2: R15.1@23.125,12.5 23.125,11.975 24.01,11.09 24.019,11.09 25.027,10.082 25.027,9.673 U22.3@25.2,9.5 25.2,9.25 25.4,9.051 26.2,9.051 v1(26.25,9) ; v1(26.846,6.958) 26.788,6.901 26.788,6.713 26.678,6.603 26.678,5.955 29.683,2.95 40.7,2.95 v1(41.525,3.775)
CH15_VOUT_SENSE: CH15_V.1 D15.2 F15.2 J1.29 | length 99.8
  Top Layer w0.2: v1(13.9,10.961) 13.9,10.73 13.207,10.037 12.598,10.037 11.869,9.308 11.869,3.656 13.919,1.606 13.919,0.956 14.036,0.839 51.489,0.839 54.378,3.728 v1(54.422,3.728) ; v1(56.7,12.6) 59.422,15.322 59.422,26.601 59.273,26.75 J1.29@56.75,26.75
  Bottom Layer w0.2: CH15_V.1@11.5,8.75 11.594,8.75 13.805,10.962 v1@13.805,11.055 ; v1(13.9,10.961) v1@13.806,11.055 ; F15.2@18.65,12 16.485,12 D15.2@15.985,11.5 14.714,11.5 14.269,11.055 v1@13.805,11.055 ; v1(54.422,3.728) 54.4,3.75 52.787,3.75 48.569,7.968 48.569,8.532 48.968,8.931 49.856,8.931 50.125,9.2 55.226,9.2 55.375,9.349 55.375,11.275 55.719,11.619 56.308,11.619 56.531,11.842 56.531,12.364 56.7,12.533 v1(56.7,12.6)
CH16_SHUNT_N: F16.1 R16.2 U23.4 | length 15
  Bottom Layer w0.2: F16.1@9.85,44.5 9.477,44.873 9.477,45.631 9.344,45.764 9.344,46.156 R16.2@9.25,46.25 9.25,46.347 9.276,46.373 9.276,47.376 9.643,47.743 10.163,47.743 11.7,46.206 11.7,42.403 12.627,41.476 12.627,40.124 12.376,39.873 12.374,39.873 12.225,39.724 12.225,39.716 11.95,39.441 U23.4@11.95,38.2
CH16_SHUNT_P: R16.1 U19.13 U19.14 U23.3 | length 71.7
  Top Layer w0.2: v1@10.103,47.142 10.65,47.689 v1(10.65,48.6) ; v1(20.9,43.325) 20.957,43.382 21.226,43.382 21.671,43.827 21.836,43.827 22.589,43.075 23.917,43.075 26.223,40.769 26.223,37.069 27.619,35.673 27.945,35.673 29.072,36.8 32.209,36.8 33.05,35.959 33.934,35.075 35.225,35.075 36.025,34.275 v1(36.025,32) ; v1(40.5,34.958) 40.562,34.958 40.92,34.6 43.627,34.6 45.195,36.168 48.81,36.168 49.573,35.405 49.573,34.212 49.725,34.06 49.725,33.274 51.599,31.4 52.121,31.4 52.319,31.598 ; 52.319,31.598 52.491,31.77 52.491,31.931 53,32.44 53.425,32.44 U19.14@53.425,33.71
  Bottom Layer w0.2: v1(9.903,47.116) 9.903,47.049 10,46.952 R16.1@10,46.25 R16.1@10.025,46.275 ; R16.1@10.211,46.211 11.05,45.371 11.05,42.103 11.677,41.476 11.677,41.323 11.95,41.05 U23.3@11.95,40.8 ; v1(10.65,48.6) 10.731,48.6 11.029,48.302 11.735,48.302 13.647,46.39 13.647,45.191 13.999,44.839 13.999,44.207 14.558,43.648 16.806,43.648 17.283,44.125 19.269,44.125 19.718,43.675 20.331,43.675 20.623,43.382 20.843,43.382 v1(20.9,43.325) ; v1(36.025,32) 38.594,34.569 40.111,34.569 v1(40.5,34.958)
CH16_VOUT_SENSE: CH16_V.1 D16.2 F16.2 J1.31 | length 143.8
  Top Layer w0.2: J1.31@56.75,25.75 56.7,25.7 55.976,25.7 55.8,25.524 55.8,15.861 55.942,15.719 57.558,15.719 58.1,16.261 v1(58.1,19.2)
  Bottom Layer w0.2: CH16_V.1@1.5,40.75 1.925,40.325 3.653,40.325 3.975,40.647 3.975,41.103 3.653,41.425 3.449,41.425 3.127,41.747 3.127,42.977 5.235,45.085 D16.2@5.235,45.5 ; F16.2@7.65,44.5 7.65,44.75 7.277,45.123 7.027,45.123 6.65,45.5 D16.2@5.235,45.5 ; v1(58.1,19.2) 57.2,19.2 54.931,16.931 49.468,16.931 48.862,16.325 48.847,16.325 48.525,16.003 48.525,13.484 48.499,13.458 48.499,9.962 48.1,9.563 48.1,0.688 47.729,0.317 10.339,0.317 7.606,3.051 7.606,4.508 2.725,9.389 2.725,16.713 5.429,19.417 5.429,35.171 3.825,36.775 3.825,39.366 4.775,40.316 4.775,41.472 4.225,42.022 4.225,42.478 5.45,43.703 5.45,45.285 D16.2@5.235,45.5
DAC_BUSY: P1.15 U2.38 | length 182.8
  Top Layer w0.2: v1(7.725,22.497) 7.725,16.864 7.6,16.739 7.6,11.188 7.6,11.187 7.635,7.026 7.693,6.968 13.411,1.251 13.411,0.556 13.528,0.439 51.914,0.439 58.51,7.035 58.51,7.985 62.975,12.45 63.996,12.45 64.381,12.835 64.381,15.365 64.121,15.625 64.121,44.176 63.972,44.325 61.999,44.325 61.885,44.438 61.882,44.442 61.65,44.747 61.65,45.203 61.972,45.525 63.121,46.496 63.208,46.496 64.301,47.589 64.301,47.85 63.729,48.422 63.729,48.649 63.253,49.125 62.15,49.125 62.125,49.1 60.092,49.1 58.454,50.738 58.023,50.738 58.023,55.177 57.7,55.5 31.051,55.5 29.872,54.321 29.872,53.563 29.027,52.718 28.269,52.718 27.263,51.712 26.372,51.712 P1.15@26.12,51.46 ; U2.38@17.95,30.5 17.988,30.462 17.988,29.112 v1(18.025,29.075)
  Bottom Layer w0.2: v1(7.725,22.497) 7.664,22.497 7.207,22.955 7.207,23.187 7.469,23.45 8.894,23.45 9.893,22.45 10.728,22.45 15.447,27.169 16.769,27.169 17.461,27.861 17.461,28.685 17.62,28.844 17.713,28.844 17.944,29.075 v1(18.025,29.075)
DAC_CLR: P1.16 U2.1 | length 53.3
  Top Layer w0.2: v1(3.103,45.603) 6.981,49.481 6.981,54.29 7.857,55.166 24.063,55.166 24.977,54.252 25.868,54.252 P1.16@26.12,54 ; U2.1@18.6,41.7 18.678,41.7 18.715,41.738 19.585,41.738 19.947,42.1 v1(20,42.1)
  Bottom Layer w0.2: v1(3.103,45.603) 4.854,47.354 8.542,47.354 9.435,48.247 10.225,48.247 13.069,45.403 13.069,45.056 13.495,44.63 13.495,43.883 14.287,43.091 14.287,42.865 15.078,42.073 15.602,42.073 15.744,41.931 18.586,41.931 18.755,42.1 v1(20,42.1)
DAC_DIN/SDA: P1.19 U2.50 | length 48.5
  Top Layer w0.2: v1(11.573,48.879) 11.62,48.926 11.886,48.926 13.185,50.225 29.792,50.225 31.027,51.46 P1.19@31.2,51.46 ; U2.50@20.3,38.7 20.338,38.738 20.976,38.738 20.983,38.744 21.051,38.744 21.406,39.099 21.406,39.845 21.555,39.994 22.658,39.994 23.456,40.792 23.456,41.594 v1(23.425,41.625) ; v1(20.925,44.425) 21.325,44.825 21.97,44.825 22.595,44.2 v1(23.675,44.2)
  Bottom Layer w0.2: v1(11.573,48.879) 11.62,48.832 11.923,48.832 14.155,46.6 14.155,45.396 14.503,45.048 14.503,44.269 14.724,44.048 16.64,44.048 18.331,45.739 18.331,46.32 18.469,46.458 18.469,46.683 18.692,46.906 20.278,46.906 20.61,46.574 20.61,45.366 20.925,45.051 v1(20.925,44.425) ; v1(23.425,41.625) 23.022,42.028 23.022,43.547 v1(23.675,44.2)
DAC_LDAC: P1.22 U2.39 | length 66.7
  Top Layer w0.2: v1(5.625,42.125) 5.205,41.705 4.542,41.705 4.225,42.022 4.225,42.478 4.779,43.032 5.189,43.032 8.063,45.907 9.581,45.907 13.395,49.721 30.007,49.721 30.273,49.987 31.376,49.987 32.416,51.027 32.416,52.676 P1.22@33.74,54 ; v1(16.725,38.147) 16.725,37.228 17.375,36.578 17.375,35.526 16.7,34.851 16.7,32.558 17.492,31.766 17.899,31.766 18.14,31.525 18.167,31.525 18.475,31.217 18.475,31.193 18.6,31.068 U2.39@18.6,30.5
  Bottom Layer w0.2: v1(5.625,42.125) 5.625,41.339 5.811,41.153 5.811,40.448 5.586,40.223 5.586,38.991 5.436,38.841 5.436,38.605 4.625,37.793 4.625,37.106 5.631,36.1 7.247,36.1 7.447,35.9 9.109,35.9 10.059,36.85 11.663,36.85 11.682,36.869 12.467,36.869 13.032,37.434 13.032,38.135 13.547,38.65 14.053,38.65 14.076,38.627 16.255,38.627 16.282,38.6 16.399,38.6 16.575,38.424 16.575,38.378 16.725,38.228 v1(16.725,38.147)
DAC_RESET: P1.18 U2.37 | length 77
  Top Layer w0.2: v1(5.979,24.071) 5.2,24.918 5.2,36.3 2.875,38.625 2.875,42.267 8.884,48.276 8.884,49.695 9.506,50.317 9.506,51.735 10.513,52.742 27.402,52.742 P1.18@28.66,54 ; v1(16.825,36.35) 16.825,35.552 15.506,34.233 15.506,33.001 17.262,31.245 17.262,30.538 U2.37@17.3,30.5
  Bottom Layer w0.2: v1(5.979,24.071) 6,24.091 6,25.786 8.422,28.208 8.441,28.208 9.107,28.874 9.107,29.434 10.878,31.206 10.878,31.608 12.575,33.304 12.575,33.968 12.961,34.354 12.961,34.768 13.11,34.917 14.16,34.917 14.822,35.578 16.078,35.578 16.825,36.326 v1(16.825,36.35)
DAC_SCLK/SCL: P1.23 U2.49 | length 29.9
  Top Layer w0.2: v1(16.898,39.438) 16.898,39.399 17.316,38.981 17.316,38.937 17.945,38.308 17.945,38.229 18.309,37.865 18.917,37.865 19.102,38.05 U2.49@20.3,38.05
  Bottom Layer w0.2: v1(16.898,39.438) 16.972,39.438 17.726,40.192 19.039,40.192 20.347,41.5 20.528,41.5 20.628,41.6 20.962,41.6 22.275,42.913 22.275,43.985 23.159,44.869 24.766,44.869 25.166,45.269 25.276,45.269 25.653,45.646 25.653,46.853 26,47.2 30.3,47.2 32.525,49.425 33.271,49.425 33.354,49.425 33.967,49.857 34.013,49.89 34.726,49.934 34.779,49.987 P1.23@36.28,51.46
DAC_SDO: P1.21 U2.48 | length 47.1
  Top Layer w0.2: v1(17.65,33.425) 18.175,33.95 18.175,36.777 18.798,37.4 U2.48@20.3,37.4 ; v1(27.285,36.785) 27.332,36.785 27.747,37.2 31.643,37.2 33.893,39.45 35.35,39.45 35.65,39.75 v1(35.65,40.475) ; P1.21@33.74,51.46 32.95,50.67 32.95,49.942 33.067,49.825 38.9,49.825 39.928,48.797 39.928,48.1 39.646,47.817 39.646,46.929 v3(39.65,46.925)
  Bottom Layer w0.2: v1(17.65,33.425) 19.797,33.425 19.932,33.29 21.997,33.29 25.796,37.089 26.768,37.089 26.923,36.935 27.053,36.935 27.203,36.785 v1(27.285,36.785) ; v1(35.65,40.475) 39.65,44.475 v3(39.65,46.925)
DAC_SYNC/AD0: P1.24 U2.51 | length 66.5
  Top Layer w0.2: v1(3.425,40.875) 3.425,38.924 4.378,37.971 6.489,37.971 7.806,39.289 7.806,40.063 8.311,40.569 11.174,40.569 11.551,40.192 14.638,40.192 14.992,39.838 15.297,39.838 15.395,39.74 16.422,39.74 16.874,40.192 18.61,40.192 18.948,39.854 18.948,39.599 19.169,39.379 20.271,39.379 U2.51@20.3,39.35
  Bottom Layer w0.2: v1(3.425,40.875) 2.389,41.911 2.389,44.103 2.825,44.539 2.825,45.103 2.553,45.375 2.553,45.933 5.232,48.612 8.374,48.612 9.782,50.02 11.089,50.02 12.046,50.977 12.046,51.735 13.093,52.782 16.391,52.782 17.23,53.621 17.23,54.379 18.017,55.166 34.223,55.166 35.137,54.252 36.028,54.252 P1.24@36.28,54